# Altium PCB TEMPLATE_PCB_4L.PcbDoc (part 1 of 2)
Units mm, origin at the board's own origin, x right, y up, seen from the top; angles counter-clockwise.
Board outline 200 x 110 mm, 4 copper layers (Top, GND, PWR, Bottom), stack 1.591 mm thick; 84 components, 80 nets, 426 pads, 420 vias.
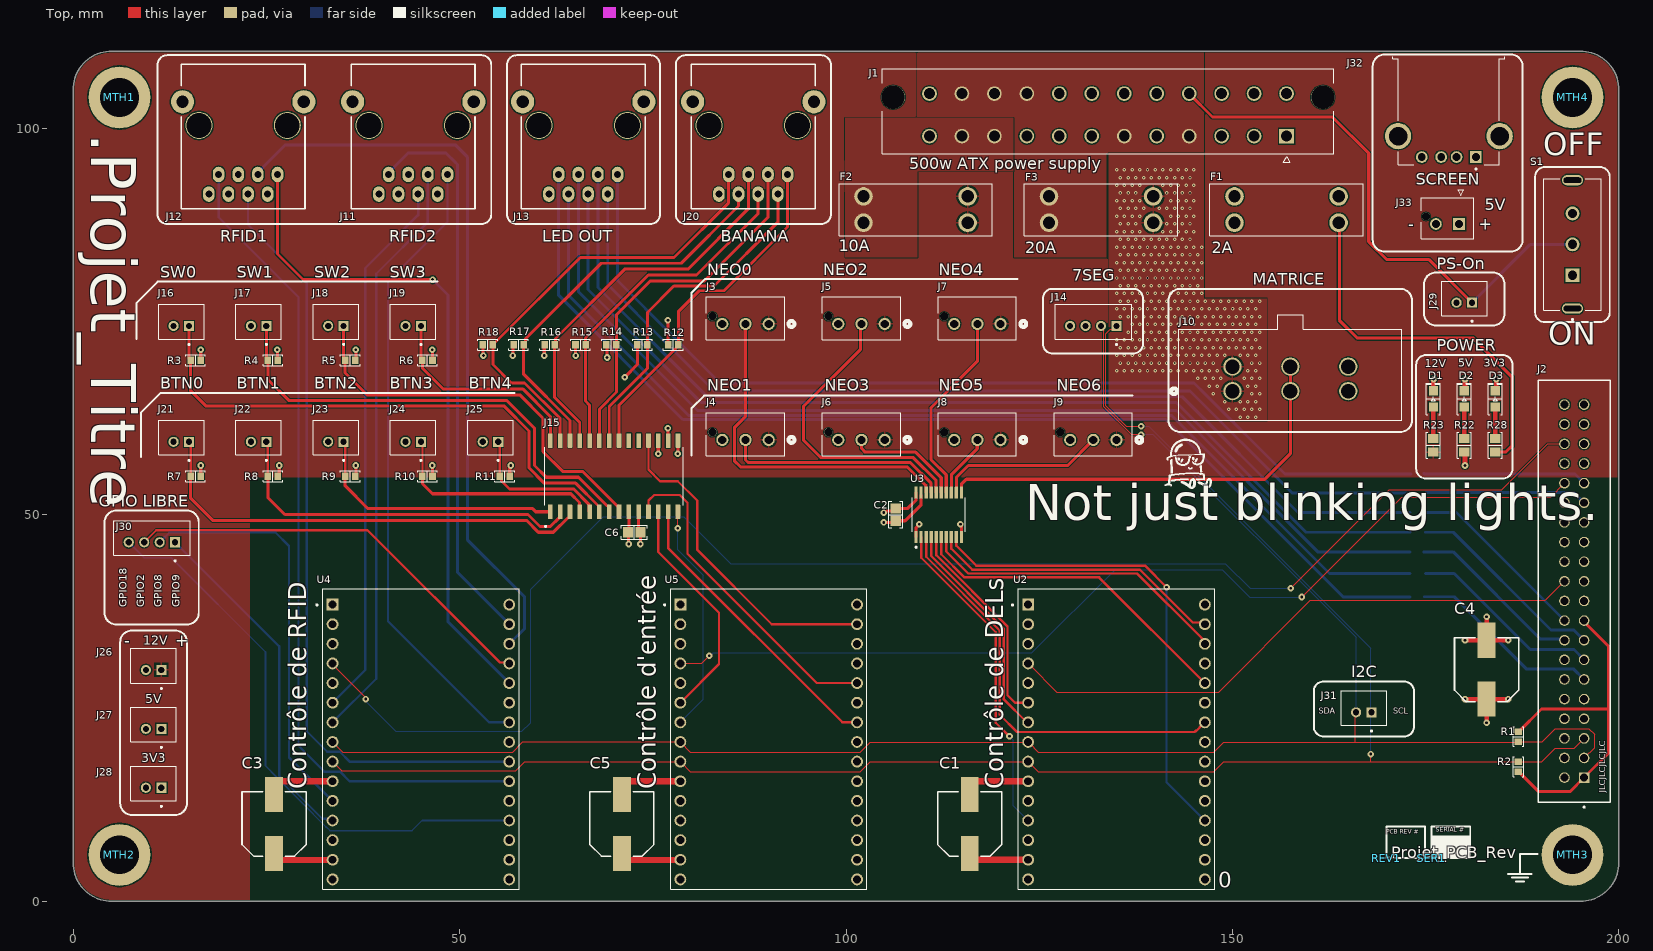
[diagram p0: Top view]
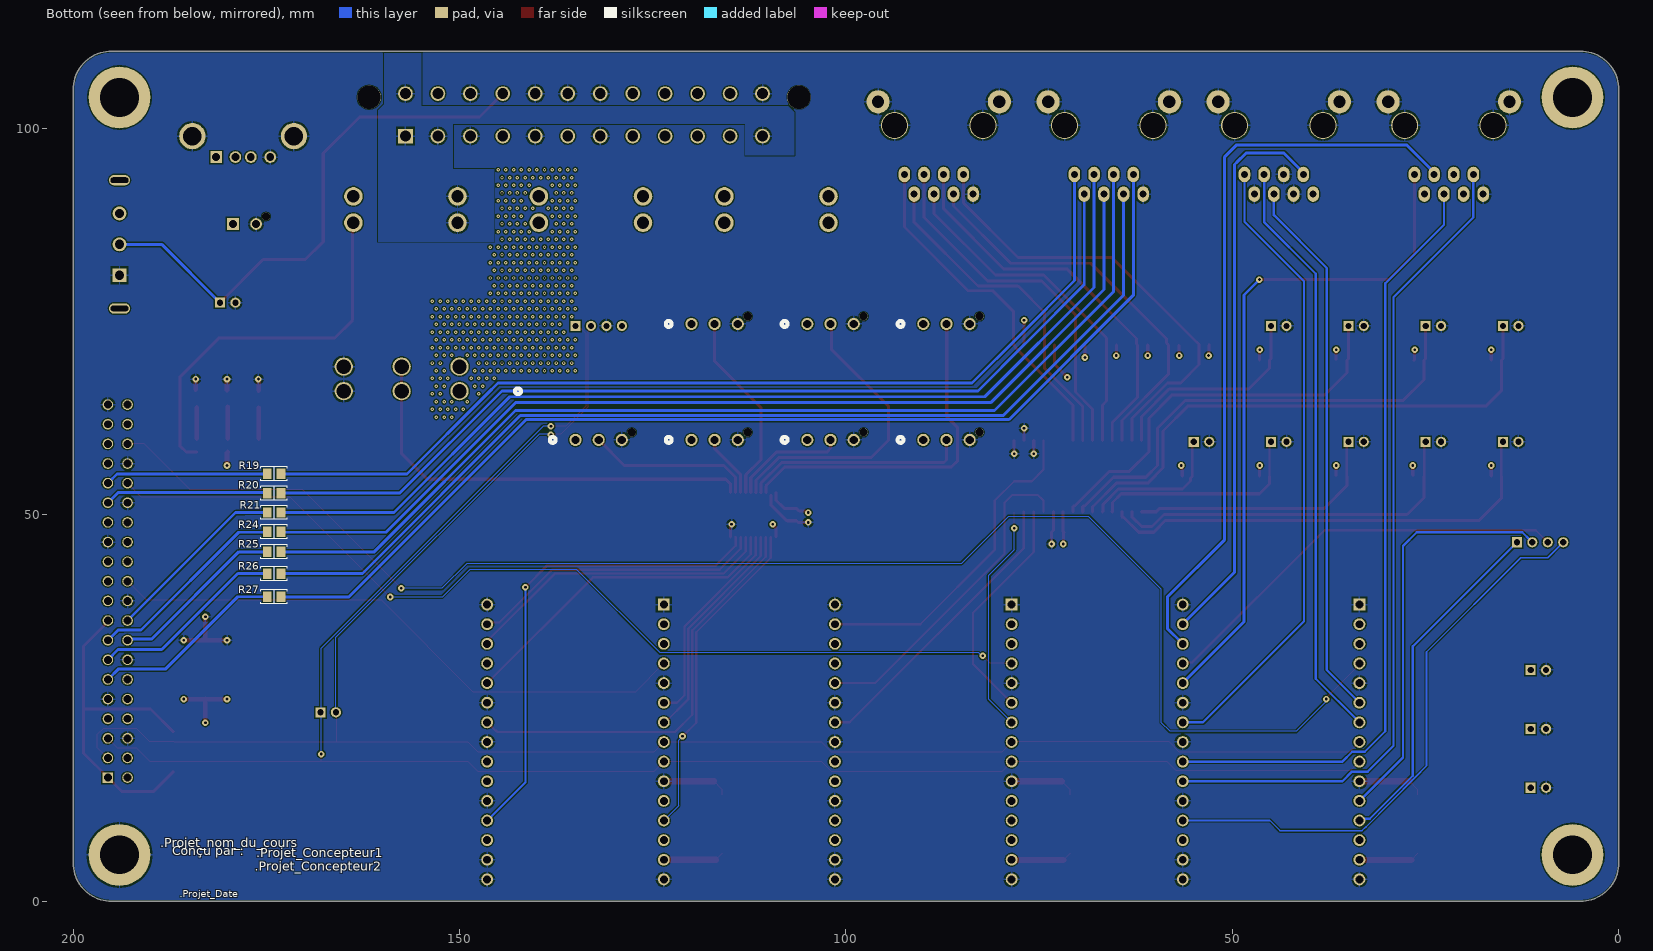
[diagram p1: Bottom view, seen from below]
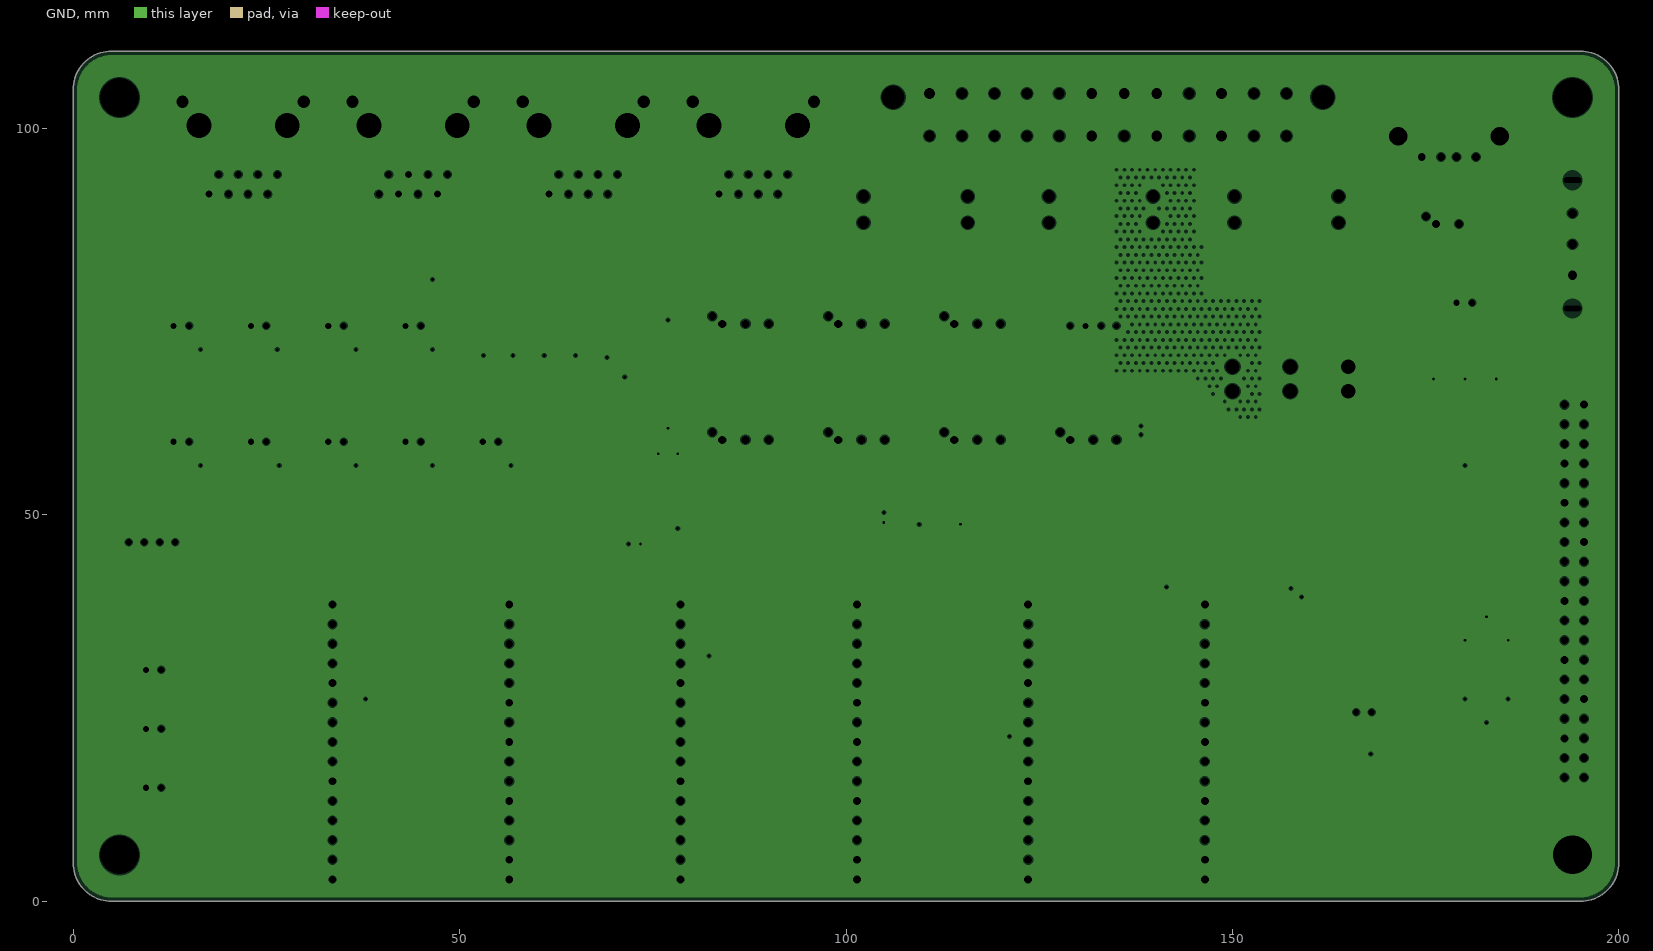
[diagram p2: GND, clearances drawn from the general rule]
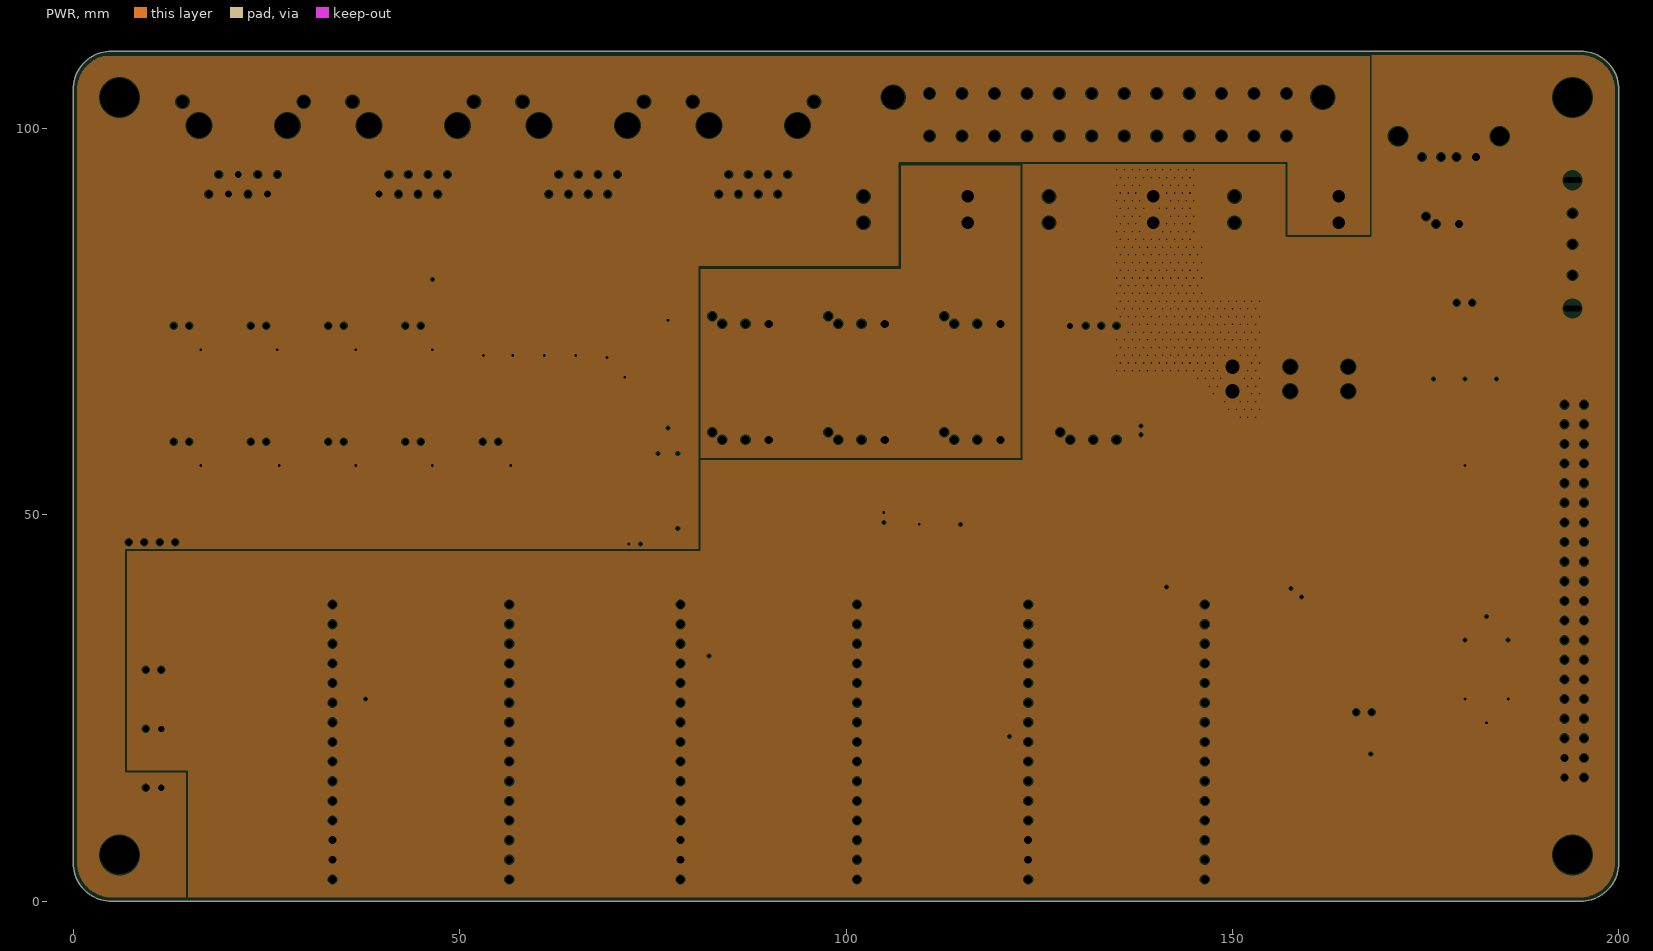
[diagram p3: PWR, clearances drawn from the general rule]
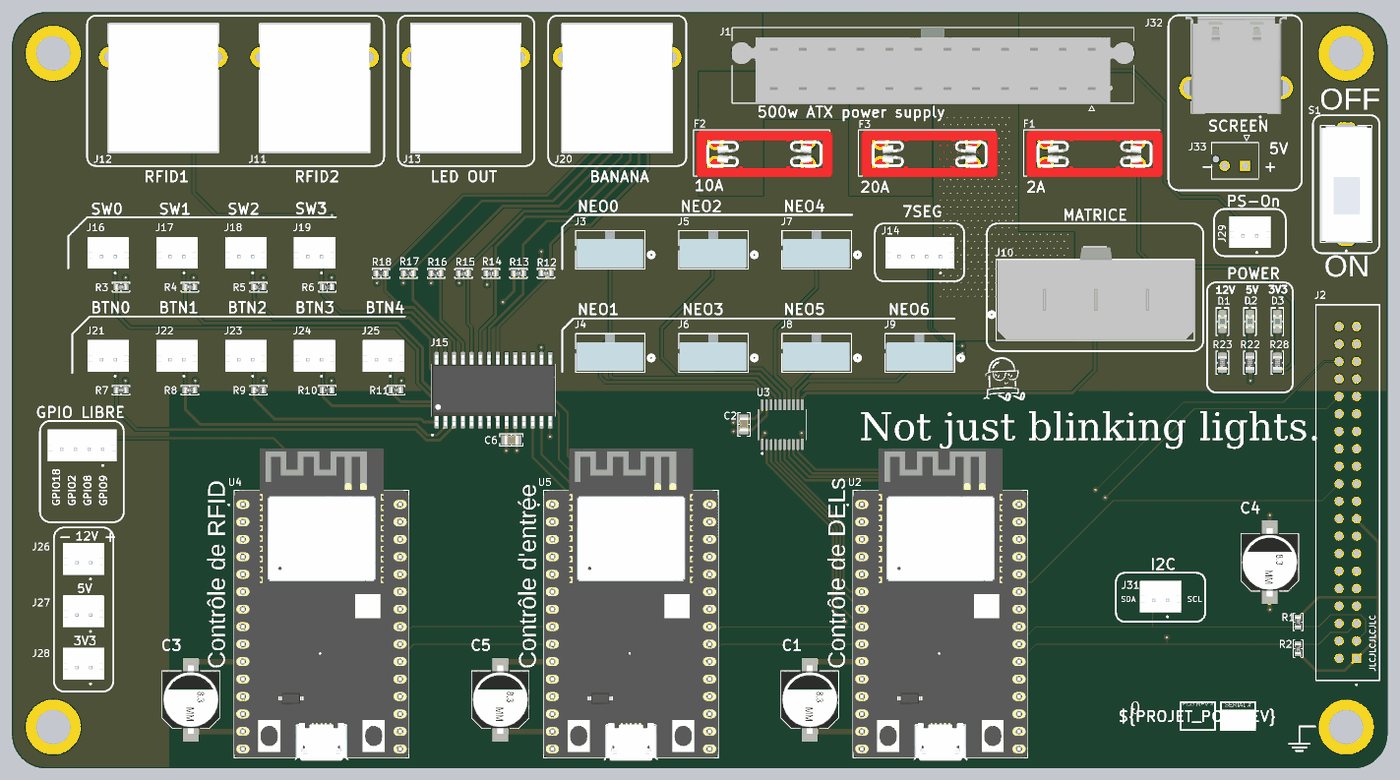
[diagram p5: 3D render of the assembled board from above, using the file's embedded part models]
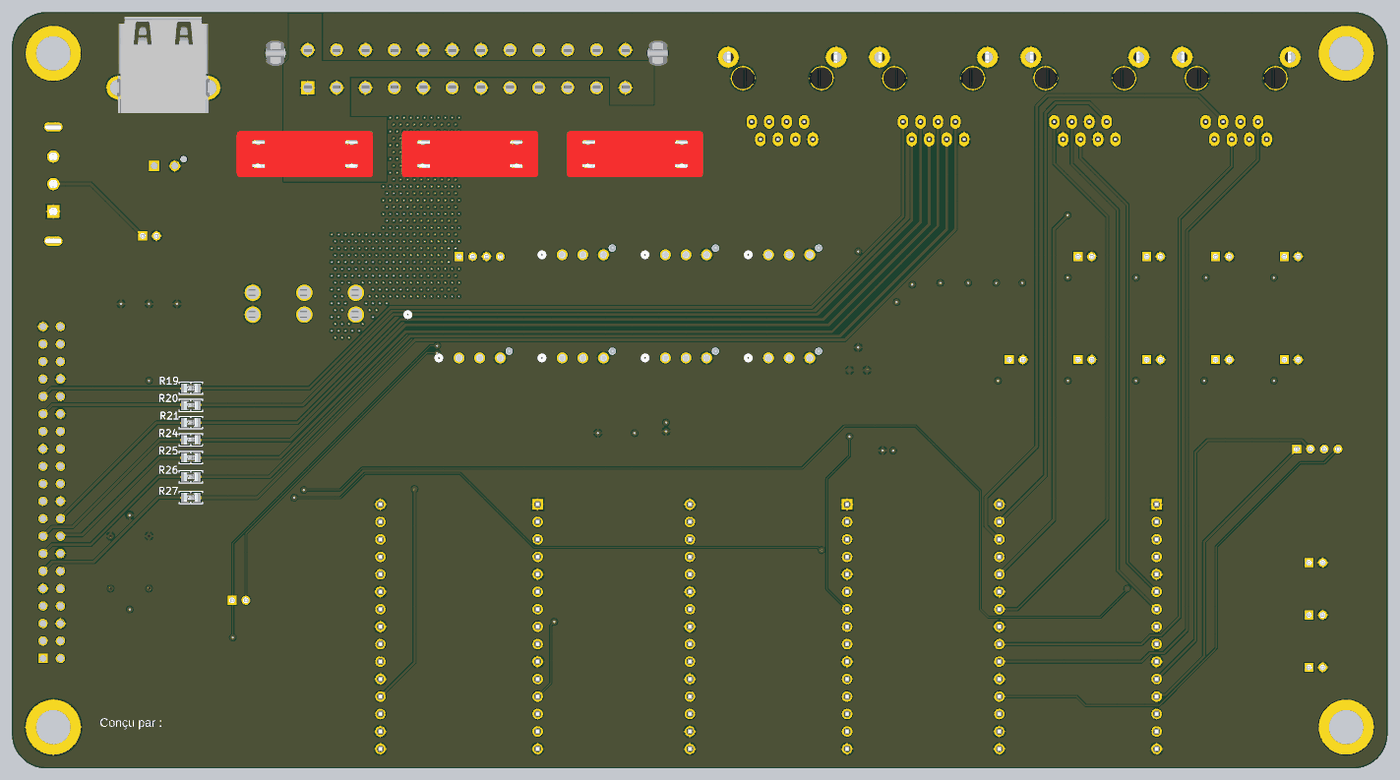
[diagram p6: 3D render of the assembled board from below, using the file's embedded part models]

## Layer stack, top to bottom
Top Solder: solder mask 0.0102, Solder Resist, Dk 3.5
Top: signal copper 0.035
Dielectric 1: prepreg 0.2104, 7628, Dk 4.1
GND: plane copper 0.0175, net GND
Dielectric 2: core 1.065, Dk 4.6
PWR: plane copper 0.0175, net (Multiple Nets)
Dielectric 3: prepreg 0.2104, 7628, Dk 4.6
Bottom: signal copper 0.035
Bottom Solder: solder mask 0.0102, Solder Resist, Dk 3.5

## Board outline
0,5 0,105 cw(c5,105) 5,110 195,110 cw(c195,105) 200,105 200,5 cw(c195,5) 195,0 5,0 cw(c5,5)

## Design rules (kind name [scope] priority, off if disabled: settings)
BoardOutlineClearance [All] p1: gap=0.2 ignorepadtopadclearanceinfootprint=FALSE except(0: Arc-SplitContinuation Track-SplitContinuation SMDPad-SplitContinuation THPad-SplitContinuation Via-SplitContinuation Fill-SplitContinuation Poly-SplitContinuation Region-SplitContinuation Text-SplitContinuation)
Clearance "Schematic Clearance Constraint_1" [InComponent('SER1')] p1: gap=0.254 ignorepadtopadclearanceinfootprint=FALSE except(0: Arc-Text Track-Text Text-Text)
Clearance "Schematic Clearance Constraint" [InComponent('REV1')] p2: gap=0.254 ignorepadtopadclearanceinfootprint=FALSE except(0: Arc-Text Track-Text Text-Text)
Clearance [All] p3: gap=0.152 ignorepadtopadclearanceinfootprint=FALSE except(0.127: Arc-Arc Arc-Track Arc-Hole Track-Track Track-Hole SMDPad-Fill SMDPad-Poly SMDPad-Region SMDPad-Hole THPad-Hole Via-Hole Fill-Hole Poly-Hole Region-Hole Text-Hole; 0.2: Arc-SMDPad Track-SMDPad; 0.254: Arc-Via Track-Via Via-Via; 0.33: Arc-THPad Track-THPad; 0.5: THPad-THPad)
ComponentClearance "Schematic Component Clearance Constraint_1" [InComponent('SER1')] p1: gap=0 collisioncheckmode=3 verticalgap=0 showdistances=FALSE
ComponentClearance "Schematic Component Clearance Constraint" [InComponent('REV1')] p2: gap=0 collisioncheckmode=3 verticalgap=0 showdistances=FALSE
ComponentClearance [All] p3: gap=0.102 collisioncheckmode=3 verticalgap=0.102 showdistances=FALSE
HoleSize HoleSize_1 [All] p1: absolutevalues=TRUE maxlimit=6 minlimit=0.025 maxpercent=80.000 minpercent=20.000
HoleToHoleClearance [All] p1: gap=0.5 allowstackedmicrovias=FALSE
MinimumAnnularRing [All] p1: minimumring=0.1
MinimumSolderMaskSliver [All] p1: minsoldermaskwidth=0.1
PlaneClearance [All] p1: clearance=0.152
PlaneConnect [All] p1: pad.planeconnectstyle=Relief pad.reliefexpansion=0.508 pad.reliefentries=4 pad.reliefconductorwidth=0.254 pad.reliefairgap=0.254 via.planeconnectstyle=Direct via.reliefexpansion=0.508 via.reliefentries=4 via.reliefconductorwidth=0.254 via.reliefairgap=0.254
PolygonConnect PolygonConnect_3 [InNet('5V_FUSE') vs InNet('5V_FUSE')] p1: thpad.connectstyle=Relief thpad.reliefconductorwidth=0.254 thpad.reliefentries=4 thpad.polygonreliefangle="90 Angle" thpad.airgapwidth=0.254 smdpad.connectstyle=Relief smdpad.reliefconductorwidth=0.254 smdpad.reliefentries=4 smdpad.polygonreliefangle="90 Angle" smdpad.airgapwidth=0.254 via.connectstyle=Direct via.reliefconductorwidth=0.254 via.reliefentries=4 via.polygonreliefangle="90 Angle" via.airgapwidth=0.254
PolygonConnect PolygonConnect_2 [InNet('12V') vs InNet('12V')] p2: thpad.connectstyle=Direct thpad.reliefconductorwidth=0.254 thpad.reliefentries=4 thpad.polygonreliefangle="90 Angle" thpad.airgapwidth=0.254 smdpad.connectstyle=Relief smdpad.reliefconductorwidth=0.254 smdpad.reliefentries=4 smdpad.polygonreliefangle="90 Angle" smdpad.airgapwidth=0.254 via.connectstyle=Relief via.reliefconductorwidth=0.254 via.reliefentries=4 via.polygonreliefangle="90 Angle" via.airgapwidth=0.254
PolygonConnect [InNet('5V') vs InNet('5V')] p3: thpad.connectstyle=Direct thpad.reliefconductorwidth=0.254 thpad.reliefentries=4 thpad.polygonreliefangle="90 Angle" thpad.airgapwidth=0.254 smdpad.connectstyle=Relief smdpad.reliefconductorwidth=0.254 smdpad.reliefentries=4 smdpad.polygonreliefangle="90 Angle" smdpad.airgapwidth=0.254 via.connectstyle=Direct via.reliefconductorwidth=0.254 via.reliefentries=4 via.polygonreliefangle="90 Angle" via.airgapwidth=0.254
PolygonConnect PolygonConnect_1 [All] p4: connectstyle=Relief reliefconductorwidth=0.254 reliefentries=4 polygonreliefangle="90 Angle" airgapwidth=0.254
RoutingVias [All] p1: holewidth=0.35 width=0.85 viastyle="Through Hole" minholewidth=0.3 minwidth=0.5 maxholewidth=6.3 maxwidth=6.5
SilkToSilkClearance [All] p1: silktosilkclearance=0.102
SilkToSolderMaskClearance [IsPad] p1: minsilkscreentomaskgap=0.024 clearancetoexposedcopper=FALSE
SolderMaskExpansion SolderMaskExpansion_Via [isVia] p1: expansion=0.102 istentingtop=TRUE
SolderMaskExpansion [All] p2: expansion=0.051 istentingtop=FALSE
SupplyNets "Schematic Supply Nets_7" [InNet('3V3_PI4')] p1: voltage=0.000
SupplyNets "Schematic Supply Nets_6" [InNet('3V3_FUSE')] p2: voltage=0.000
SupplyNets "Schematic Supply Nets_5" [InNet('5V_FUSE')] p3: voltage=0.000
SupplyNets "Schematic Supply Nets_4" [InNet('12V_FUSE')] p4: voltage=0.000
SupplyNets "Schematic Supply Nets_3" [InNet('GND')] p5: voltage=0.000
SupplyNets "Schematic Supply Nets_2" [InNet('12V')] p6: voltage=0.000
SupplyNets "Schematic Supply Nets_1" [InNet('3V3')] p7: voltage=0.000
SupplyNets "Schematic Supply Nets" [InNet('5V')] p8: voltage=0.000
Width [All] p1: maxlimit=25.4 minlimit=0.127 preferedwidth=0.152 minimp=50.000000 maximp=50.000000 favimp=50.000000
22 further rules are at their usual default settings.

## Classes and differential pairs
component class RaspberryPI4: C4 J2 J13 J14 J31 R1 R2 R19 R20 R21 R24 R25 R26 R27
component class "Esp32_Wroom(Contrôle de RFID)": C3 J11 J12 J30 U4
component class "Esp32_Wroom(Contrôle de DELs)": C1 C2 J3 J4 J5 J6 J7 J8 J9 J10 U2 U3
component class "Esp32_Wroom(Contrôle d'entrée": C5 C6 J15 J16 J17 J18 J19 J20 J21 J22 J23 J24 J25 R3 R4 R5 R6 R7 R8 R9 R10 R11 R12 R13 R14 R15 R16 R17 R18 U5
component class Alimentation: D1 D2 D3 F1 F2 F3 J1 J26 J27 J28 J29 J32 J33 MTH1 MTH2 MTH3 MTH4 R22 R23 R28 S1
component class TEMPLATE_Title: REV1 SER1

## Components (designator, comment, footprint, x,y, rotation, side; value= is the part's Value field where it differs from the comment)
C1 "330 µF" "CAP ALSMD 8.3MM H10.5MM" 116,10 r90 top locked
C2 "0.1 µF" "CAP 0805_2012" 106.426,50.038 r90 top locked
C3 "330 µF" "CAP ALSMD 8.3MM H10.5MM" 26,10 r90 top locked
C4 "330 µF" "CAP ALSMD 8.3MM H10.5MM" 182.88,29.972 r90 top
C5 "330 µF" "CAP ALSMD 8.3MM H10.5MM" 71,10 r90 top locked
C6 "0.1 µF" "CAP 0805_2012" 72.606,47.752 r0 top
D1 "Green" "LED 0805_2012 GREEN" 176,65 r90 top locked
D2 "Green" "LED 0805_2012 GREEN" 180,65 r90 top locked
D3 "Green" "LED 0805_2012 GREEN" 184,65 r90 top locked
F1 "3557-10" FUSE_3557-10 157,89.5 r0 top
F2 "3557-10" FUSE_3557-10 109,89.5 r0 top locked
F3 "3557-10" FUSE_3557-10 133,89.5 r0 top locked
J1 "39299243" MOLEX_39299243 157,99 r0 top locked
J2 "TSS-120-01-T-D" SAMTEC_TSS-120-01-T-D 195.5,16 r90 top locked
J3 "2165711003" CONN_2165710003-SD_03_MOL 90,74.7 r0 top locked
J4 "2165711003" CONN_2165710003-SD_03_MOL 90,59.7 r0 top locked
J5 "2165711003" CONN_2165710003-SD_03_MOL 105,74.7 r0 top locked
J6 "2165711003" CONN_2165710003-SD_03_MOL 105,59.7 r0 top locked
J7 "2165711003" CONN_2165710003-SD_03_MOL 120,74.7 r0 top locked
J8 "2165711003" CONN_2165710003-SD_03_MOL 120,59.7 r0 top locked
J9 "2165711003" CONN_2165710003-SD_03_MOL 135,59.7 r0 top locked
J10 "431600103" CONN_431600001-SD_V_03_MOL 150,66 r0 top locked
J11 "A-2004-2-4-LPS-N-R" "ASSMANN A-2004-2-4-LPS-N-R" 44,99 r180 top locked
J12 "A-2004-2-4-LPS-N-R" "ASSMANN A-2004-2-4-LPS-N-R" 22,99 r180 top locked
J13 "A-2004-2-4-LPS-N-R" "ASSMANN A-2004-2-4-LPS-N-R" 66,99 r180 top locked
J14 "B4B-PH-K-S" JST_B4B-PH-K-S 132,75 r0 top
J15 "MCP23S17-E/SO" SOIC127P1030X265-28N 70,55 r90 top locked
J16 "B2B-PH-K-S" JST_B2B-PH-K-S 14,75 r0 top locked
J17 "B2B-PH-K-S" JST_B2B-PH-K-S 24,75 r0 top locked
J18 "B2B-PH-K-S" JST_B2B-PH-K-S 34,75 r0 top locked
J19 "B2B-PH-K-S" JST_B2B-PH-K-S 44,75 r0 top
J20 "A-2004-2-4-LPS-N-R" "ASSMANN A-2004-2-4-LPS-N-R" 88,99 r180 top locked
J21 "B2B-PH-K-S" JST_B2B-PH-K-S 14,60 r0 top locked
J22 "B2B-PH-K-S" JST_B2B-PH-K-S 24,60 r0 top locked
J23 "B2B-PH-K-S" JST_B2B-PH-K-S 34,60 r0 top locked
J24 "B2B-PH-K-S" JST_B2B-PH-K-S 44,60 r0 top locked
J25 "B2B-PH-K-S" JST_B2B-PH-K-S 54,60 r0 top locked
J26 "B2B-PH-K-S" JST_B2B-PH-K-S 10.414,30.48 r0 top locked
J27 "B2B-PH-K-S" JST_B2B-PH-K-S 10.414,22.86 r0 top
J28 "B2B-PH-K-S" JST_B2B-PH-K-S 10.414,15.24 r0 top
J29 "B2B-PH-K-S" JST_B2B-PH-K-S 180,78 r0 top locked
J30 "B4B-PH-K-S" JST_B4B-PH-K-S 10.2,47 r0 top
J31 "B2B-PH-K-S" JST_B2B-PH-K-S 167,25 r0 top
J32 "87520-0010BLF" AMPHENOL_87520-0010BLF 178,99 r180 top locked
J33 "2165711002" MOLEX_2165711002 179.324,87.63 r0 top
MTH1 "MTH_M5" MTH_M5 6,104 r0 top locked
MTH2 "MTH_M5" MTH_M5 6,6 r0 top locked
MTH3 "MTH_M5" MTH_M5 194,6 r0 top locked
MTH4 "MTH_M5" MTH_M5 194,104 r0 top locked
R1 "4.7 kOhms" "RES 0603_1608" 187,21.3 r90 top
R2 "4.7 kOhms" "RES 0603_1608" 187,17.4 r270 top locked
R3 "4.7 kOhms" "RES 0603_1608" 15.85,70 r0 top locked
R4 "4.7 kOhms" "RES 0603_1608" 25.85,70 r0 top locked
R5 "4.7 kOhms" "RES 0603_1608" 35.85,70 r0 top locked
R6 "4.7 kOhms" "RES 0603_1608" 45.85,70 r0 top locked
R7 "4.7 kOhms" "RES 0603_1608" 15.85,55 r0 top locked
R8 "4.7 kOhms" "RES 0603_1608" 25.85,55 r0 top locked
R9 "4.7 kOhms" "RES 0603_1608" 35.85,55 r0 top locked
R10 "4.7 kOhms" "RES 0603_1608" 45.85,55 r0 top locked
R11 "4.7 kOhms" "RES 0603_1608" 55.85,55 r0 top locked
R12 "4.7 kOhms" "RES 0603_1608" 77.65,72 r180 top locked
R13 "4.7 kOhms" "RES 0603_1608" 73.65,72 r180 top locked
R14 "4.7 kOhms" "RES 0603_1608" 69.65,72 r180 top locked
R15 "4.7 kOhms" "RES 0603_1608" 65.65,72 r180 top locked
R16 "4.7 kOhms" "RES 0603_1608" 61.65,72 r180 top locked
R17 "4.7 kOhms" "RES 0603_1608" 57.65,72 r180 top locked
R18 "4.7 kOhms" "RES 0603_1608" 53.65,72 r180 top locked
R19 "330 Ohms" "RES 0805_2012" 174,55.3 r0 bottom locked
R20 "330 Ohms" "RES 0805_2012" 174,52.8 r0 bottom locked
R21 "330 Ohms" "RES 0805_2012" 174,50.3 r0 bottom locked
R22 "1 kOhms" "RES 0805_2012" 180,59 r270 top locked
R23 "4.7 kOhms" "RES 0805_2012" 176,59 r270 top locked
R24 "330 Ohms" "RES 0805_2012" 174,47.8 r0 bottom locked
R25 "330 Ohms" "RES 0805_2012" 174,45.2 r0 bottom locked
R26 "330 Ohms" "RES 0805_2012" 174,42.4 r0 bottom locked
R27 "330 Ohms" "RES 0805_2012" 174,39.4 r0 bottom
R28 "330 Ohms" "RES 0805_2012" 184,59 r270 top locked
REV1 "Revision Cartridge Mini" REV_REVISION_CARTRIDGE_MINI 169.926,5.588 r0 top
S1 "SLW-1711575-5A-N-D" SW_SLW-1711575-5A-N-D 194,85 r90 top
SER1 "Serial Cartridge MICRO" SER_SERIAL_CARTRIDGE_MICRO 175.768,5.588 r0 top
U2 "ESP32-C3-DEVKITC-02" XCVR_ESP32-C3-DEVKITC-02 135,21 r0 top locked
U3 "SN74AHCT245PWR" SOP65P640X120-20N 112,50 r90 top locked
U4 "ESP32-C3-DEVKITC-02" XCVR_ESP32-C3-DEVKITC-02 45,21 r0 top locked
U5 "ESP32-C3-DEVKITC-02" XCVR_ESP32-C3-DEVKITC-02 90,21 r0 top locked

## Footprints (in the part's own frame and the unit in brackets; to place one, negate y for a bottom-side part, rotate by r counter-clockwise, add the part's x,y. Pads: shape width x height; smd on the part's side, far side on the other; paste and mask are expansions set on the pad)
AMPHENOL_87520-0010BLF [mm]
  rect 1.508x1.508 / inner round 1.508 / far side rect 1.508x1.508 hole 1 mask+0.05: 1(-3.5,2.71)
  round 1.508 hole 1 mask+0.05: 2(-1,2.71) 3(1,2.71) 4(3.5,2.71)
  round 3.396 hole 2.38 mask+0.05: SH1(-6.57,0) SH2(6.57,0)
  silkscreen extent -7.25,-10.3 7.25,4.35, body extent -7.26,-10.3 7.24,3.7, height 4.14
"ASSMANN A-2004-2-4-LPS-N-R" [mm]
  oval 1.5x2 hole 0.9: 1(-4.445,4.96) 2(-3.175,7.5) 3(-1.905,4.96) 4(-0.635,7.5) 5(0.635,4.96) 6(1.905,7.5) 7(3.175,4.96) 8(4.445,7.5)
  round 3 hole 1.6: S(-7.855,-4.44) S(7.845,-4.44)
  round 3.5 hole 3.2: S(-5.715,-1.39) S(5.715,-1.39)
  silkscreen extent -8,-9.3 8,9.4, body extent -8,-9.3 8,9.4, height 13.3
"CAP 0805_2012" [mm] "Chip Capacitor, 2-Leads, Body 2.00x1.20mm, IPC Medium Density"
  rect 1.3x1.4 smd: 1(-0.8,0) 2(0.8,0)
  silkscreen extent -1.7,-0.9 1.7,0.9, body extent -1,-0.64 1,0.64, height 1.26
"CAP ALSMD 8.3MM H10.5MM" [mm] "Aluminum Electrolytic Capacitor, Body 8.30x8.30x10.50mm, IPC Low Density"
  rect 4.55x2.3 smd: 1(-3.8,0) 2(3.8,0)
  silkscreen extent -4.15,-4.15 4.15,4.15, body extent -4.95,-4.15 4.95,4.15, height 10.5
CONN_431600001-SD_V_03_MOL [mil]
  round 93 hole 73 paste-99999 mask+0: 1_1(0,0) 1_2(0,125.2) 2_1(295,0) 2_2(295,125.2) 3_1(590,0) 3_2(590,125.2)
  silkscreen extent -312,-148 863,389, body extent -262,-142 862,385, height 582
CONN_2165710003-SD_03_MOL [mil]
  round 62 hole 42 paste-99999 mask+0: 1(0,0) 2(-118.11,0) 3(-236.22,0)
  round 42 hole 42 unplated paste-99999 mask+0: 4(-286.62,38.58)
  silkscreen extent -317,-81 131,139, body extent -314,-75 74,135, height 391
FUSE_3557-10 [mm]
  round 2.4 hole 1.6: 1_1(-6.735,1.7) 1_2(-6.735,-1.7) 2_1(6.735,1.7) 2_2(6.735,-1.7)
  silkscreen extent -9.9,-3.36 9.9,3.37, body extent -9.5,-3.52 10.31,3.21, height 3.14
JST_B2B-PH-K-S [mm]
  rect 1.308x1.308 / inner round 1.308 / far side rect 1.308x1.308 hole 0.8: 1(1,-0.55)
  round 1.308 hole 0.8: 2(-1,-0.55)
  silkscreen extent -2.95,-3.05 2.95,2.25, body extent -2.95,-2.25 2.95,2.25, height 6
JST_B4B-PH-K-S [mm]
  rect 1.308x1.308 / inner round 1.308 / far side rect 1.308x1.308 hole 0.8: 1(3,-0.55)
  round 1.308 hole 0.8: 2(1,-0.55) 3(-1,-0.55) 4(-3,-0.55)
  silkscreen extent -4.95,-3.05 4.95,2.25, body extent -4.95,-2.25 4.95,2.25, height 6
"LED 0805_2012 GREEN" [mm] "Chip Diode, 2-Leads, Body 2.00x1.25mm, IPC Medium Density"
  rect 1.2x1.2 smd: 1(-1.05,0) 2(1.05,0)
  silkscreen extent -2.03,-0.9 2.03,0.9, body extent -1,-0.62 1,0.63, height 0.9
MOLEX_39299243 [mm]
  rect 1.9x1.9 / inner round 1.9 / far side rect 1.9x1.9 hole 1.4 mask+0.076: 1(0,0)
  round 1.9 hole 1.4 mask+0.076: 2(-4.2,0) 3(-8.4,0) 4(-12.6,0) 5(-16.8,0) 6(-21,0) 7(-25.2,0) 8(-29.4,0) 9(-33.6,0) 10(-37.8,0) 11(-42,0) 12(-46.2,0) 13(0,5.5) 14(-4.2,5.5) 15(-8.4,5.5) 16(-12.6,5.5) 17(-16.8,5.5) 18(-21,5.5) 19(-25.2,5.5) 20(-29.4,5.5) 21(-33.6,5.5) 22(-37.8,5.5) 23(-42,5.5) 24(-46.2,5.5)
  round 3 hole 3 unplated mask+0.076: ""(-50.9,5.04) ""(4.7,5.04)
  silkscreen extent -52.29,-3.35 6.09,8.75, body extent -52.3,-2.26 6.07,8.74, height 12.8
MOLEX_2165711002 [mm]
  rect 1.52x1.52 / inner round 1.52 / far side rect 1.52x1.52 hole 1.02 mask+0.076: 1(0,0)
  round 1.52 hole 1.02 mask+0.076: 2(-3,0)
  round 1.02 hole 1.02 unplated mask+0.076: ""(-4.28,0.98)
  silkscreen extent -4.92,-1.93 1.92,4.45
MTH_M5 [mm] "Mounting Hole Metric 5MM"
  round 8 / inner round 0 / far side round 8 hole 5 paste-2539.97 mask+0.07: 1(0,0)
"RES 0603_1608" [mm] "Chip Resistor, 2-Leads, Body 1.60x0.80mm, IPC Medium Density"
  rect 0.85x0.95 smd: 1(-0.65,0) 2(0.65,0)
  silkscreen extent -1.27,-0.7 1.27,0.7, body extent -0.8,-0.4 0.8,0.4, height 0.45
"RES 0805_2012" [mm] "Chip Resistor, 2-Leads, Body 2.00x1.25mm, IPC Medium Density"
  rect 1.15x1.35 smd: 1(-0.875,0) 2(0.875,0)
  silkscreen extent -1.7,-0.9 1.7,0.9, body extent -1,-0.62 1,0.63, height 0.6
REV_REVISION_CARTRIDGE_MINI [mm]
  silkscreen extent 0,0 5,4.08
SAMTEC_TSS-120-01-T-D [mm]
  rect 1.37x1.37 hole 1.02: 01(0,0)
  round 1.37 hole 1.02: 02(0,2.54) 03(2.54,0) 04(2.54,2.54) 05(5.08,0) 06(5.08,2.54) 07(7.62,0) 08(7.62,2.54) 09(10.16,0) 10(10.16,2.54) 11(12.7,0) 12(12.7,2.54) 13(15.24,0) 14(15.24,2.54) 15(17.78,0) 16(17.78,2.54) 17(20.32,0) 18(20.32,2.54) 19(22.86,0) 20(22.86,2.54) 21(25.4,0) 22(25.4,2.54) 23(27.94,0) 24(27.94,2.54) 25(30.48,0) 26(30.48,2.54) 27(33.02,0) 28(33.02,2.54) 29(35.56,0) 30(35.56,2.54) 31(38.1,0) 32(38.1,2.54) 33(40.64,0) 34(40.64,2.54) 35(43.18,0) 36(43.18,2.54) 37(45.72,0) 38(45.72,2.54) 39(48.26,0) 40(48.26,2.54)
  silkscreen extent -3.92,-3.37 51.44,5.9
SER_SERIAL_CARTRIDGE_MICRO [mm]
  silkscreen extent 0,0 5.02,4.08
SOIC127P1030X265-28N [mm]
  rrect25% 1.9x0.6 smd: 1(-4.605,8.255) 2(-4.605,6.985) 3(-4.605,5.715) 4(-4.605,4.445) 5(-4.605,3.175) 6(-4.605,1.905) 7(-4.605,0.635) 8(-4.605,-0.635) 9(-4.605,-1.905) 10(-4.605,-3.175) 11(-4.605,-4.445) 12(-4.605,-5.715) 13(-4.605,-6.985) 14(-4.605,-8.255) 15(4.605,-8.255) 16(4.605,-6.985) 17(4.605,-5.715) 18(4.605,-4.445) 19(4.605,-3.175) 20(4.605,-1.905) 21(4.605,-0.635) 22(4.605,0.635) 23(4.605,1.905) 24(4.605,3.175) 25(4.605,4.445) 26(4.605,5.715) 27(4.605,6.985) 28(4.605,8.255)
  silkscreen extent -6.6,-8.95 3.75,8.95, body extent -5.15,-8.95 5.15,8.95, height 2.65
SOP65P640X120-20N [mm]
  rrect25% 1.57x0.41 smd: 1(-2.87,2.925) 2(-2.87,2.275) 3(-2.87,1.625) 4(-2.87,0.975) 5(-2.87,0.325) 6(-2.87,-0.325) 7(-2.87,-0.975) 8(-2.87,-1.625) 9(-2.87,-2.275) 10(-2.87,-2.925) 11(2.87,-2.925) 12(2.87,-2.275) 13(2.87,-1.625) 14(2.87,-0.975) 15(2.87,-0.325) 16(2.87,0.325) 17(2.87,0.975) 18(2.87,1.625) 19(2.87,2.275) 20(2.87,2.925)
  silkscreen extent -4.29,-3.45 2.2,3.45
SW_SLW-1711575-5A-N-D [mm]
  rect 1.8x1.8 / inner round 1.8 / far side rect 1.8x1.8 hole 1.2: 1(-4,0)
  round 1.8 hole 1.2: 2(0,0) 3(4,0)
  oval 1.35x2.7 hole 0.7 slot 2.3 at 90 deg: SH1(-8.3,0) SH2(8.3,0)
  silkscreen extent -9.82,-3.75 8.5,3.75, body extent -8.56,-3.8 8.44,3.7, height 13.42
XCVR_ESP32-C3-DEVKITC-02 [mm]
  rect 1.53x1.53 / inner round 1.53 / far side rect 1.53x1.53 hole 1.02: 1(-11.43,17.392)
  round 1.53 hole 1.02: 2(-11.43,14.852) 3(-11.43,12.312) 4(-11.43,9.772) 5(-11.43,7.232) 6(-11.43,4.692) 7(-11.43,2.152) 8(-11.43,-0.388) 9(-11.43,-2.928) 10(-11.43,-5.468) 11(-11.43,-8.008) 12(-11.43,-10.548) 13(-11.43,-13.088) 14(-11.43,-15.628) 15(-11.43,-18.168) 16(11.43,-18.168) 17(11.43,-15.628) 18(11.43,-13.088) 19(11.43,-10.548) 20(11.43,-8.008) 21(11.43,-5.468) 22(11.43,-2.928) 23(11.43,-0.388) 24(11.43,2.152) 25(11.43,4.692) 26(11.43,7.232) 27(11.43,9.772) 28(11.43,12.312) 29(11.43,14.852) 30(11.43,17.392)
  silkscreen extent -13.56,-19.45 12.7,19.45, body extent -12.7,-19.89 12.7,25.53, height 7.49

## Part data
C1 C3 C4 C5: library part 865060353008, "CAP ALUM 330UF 20% 16V SMD", Device Package="Radial, Can - SMD", Lifetime @ Temp.="5000 Hrs @ 105°C", Manufacturer="Würth Elektronik", Operating Temperature="-55°C ~ 105°C", Ripple Current @ High Frequency="550 mA @ 100 kHz", Ripple Current @ Low Frequency="357.5 mA @ 120 Hz", Supplier Part Number 1=732-8525-1-ND, Tolerance=±20%, Voltage - Rated="16 V", Applications="General Purpose", Capacitance="330 µF", ComponentLink1Description=Datasheet, ComponentLink1URL=https://katalog.we-online.de/pbs/datasheet/865060353008.pdf, ComponentLink2Description="DigiKey Link", ComponentLink2URL=https://www.digikey.com/en/products/detail/würth-elektronik/865060353008/5728120, Height - Seated (Max)="0.413\" (10.50mm)", Impedance="170 mOhms", LastUpdated="2024-06-03 8:15:49 PM", Lifecycle Status=Active, Minimum Order=1, Mounting Type="Surface Mount", Package / Case="Radial, Can - SMD", Packaging=TapeAndReel, Part Number=865060353008, Part Status=Active, PartId=7463, Polarization=Polar, Price=0.39, Series=WCAP-ASLL, Size / Dimension="0.315\" Dia (8.00mm)", Supplier 1=DigiKey, Surface Mount Land Size="0.327\" L x 0.327\" W (8.30mm x 8.30mm)"
C2 C6: library part 0805Y0250104KXT, "CAP CER 0.1UF 25V X7R 0805", Device Package="0805 (2012 Metric)", Manufacturer="Knowles Syfer", Operating Temperature="-55°C ~ 125°C", Supplier Part Number 1=1608-1010-1-ND, Temperature Coefficient=X7R, Tolerance=±10%, Voltage - Rated=25V, Applications="Boardflex Sensitive", Capacitance="0.1 µF", ComponentLink1Description=Datasheet, ComponentLink1URL=https://www.knowlescapacitors.com/getattachment/2dbfc8bc-e2b3-4b4d-afb1-43b011b9ebe0/High-Std-Voltage.aspx, ComponentLink2Description="DigiKey Link", ComponentLink2URL=https://www.digikey.com/en/products/detail/knowles-syfer/0805Y0250104KXT/5729991, Features="Soft Termination", LastUpdated="2024-02-09 8:16:06 PM", Lifecycle Status=Active, Minimum Order=1, Mounting Type="Surface Mount, MLCC", Package / Case="0805 (2012 Metric)", Packaging=TapeAndReel, Part Number=0805Y0250104KXT, Part Status=Active, PartId=3471, Price=0.15, Series=FlexiCap™, Size / Dimension="0.079\" L x 0.049\" W (2.00mm x 1.25mm)", Supplier 1=DigiKey, Thickness (Max)="0.051\" (1.30mm)"
D1 D2 D3: library part 5975316507F, "LED GREEN 0805 SMD", Current - Test=20mA, Device Package="0805 (2012 Metric)", Lens Color=0.93mm, Manufacturer=Dialight, Millicandela Rating=16mcd, Supplier Device Package=0805, Supplier Part Number 1=350-4389-1-ND, Voltage - Forward (Vf) (Typ)=2.2V, Color=Green, ComponentLink1Description=Datasheet, ComponentLink1URL=http://www.dialightsignalsandcomponents.com/Assets/Drawings/2D_Drawings_DrawingDetailedSpec/NewDrawings/18370A.pdf, ComponentLink2Description="DigiKey Link", ComponentLink2URL=https://www.digikey.com/en/products/detail/dialight/5975316507F/9385444, Configuration=Standard, Height (Max)=0.93mm, LastUpdated="2024-06-03 8:00:30 PM", Lens Size="1.40mm x 1.24mm", Lens Style="Rectangle with Flat Top", Lifecycle Status=Active, Minimum Order=1, Mounting Type="Surface Mount", Package / Case="0805 (2012 Metric)", Packaging=TapeAndReel, Part Number=5975316507F, Part Status=Active, PartId=245, Price=0.12, Series=597, Size / Dimension="2.00mm L x 1.25mm W", Supplier 1=DigiKey, Wavelength - Dominant=560nm
F1 F2 F3 J14 J30 J33 U3: Package=None, Availability=Unavailable, Price=None
  F1 F2 F3: MF=Keystone, MP=3557-10
  J14 J30: MF="{'manufacturer': u'JST Sales America Inc.'}", MP=B4B-PH-K-S
  J33: MP=2165711002
  U3: MP=SN74AHCT245PWR
J1: "Conn Wire to Board HDR 24Power POS 4.2mm Solder ST Top Entry Thru-Hole Tray", Package=None, Availability=Unavailable, MP=39299243, Price=None
J2: "Connector Header Through Hole 40 position 0.100 (2.54mm)", Package=None, Availability="In Stock", Check_prices=https://www.snapeda.com/parts/TSS-120-01-T-D/Samtec/view-part/?ref=eda, MF=Samtec, MP=TSS-120-01-T-D, Price=None, Purchase-URL=https://pricing.snapeda.com/search/part/TSS-120-01-T-D/?ref=eda, SnapEDA_Link=https://www.snapeda.com/parts/TSS-120-01-T-D/Samtec/view-part/?ref=snap
J3 J4 J5 J6 J7 J8 J9: "Micro-Fit+ Vertical Header, Through Hole, 3.00mm Pitch, Single Row, 3 Circuits, Matte Tin (Sn) Plating, Glow-Wire Capable, Black", Manufacturer_Name="Molex Connector Corporation", Copyright="Copyright (C) 2026 Ultra Librarian. All rights reserved.", Manufacturer_Part_Number=2165711003, RefDes=RefDes, Type=Type
J10: "Sabre Vertical Header, 3 Circuits, Glow-Wire Capable, PCB Thickness 1.60mm, without Board Lock", Manufacturer_Name="Molex Connector Corporation", Copyright="Copyright (C) 2026 Ultra Librarian. All rights reserved.", Manufacturer_Part_Number=431600103, RefDes=RefDes, Type=Type
J11 J12 J13 J20: "CONN MOD JACK 8P8C R/A SHIELDED", LED Color="Does Not Contain LED", Manufacturer="Assmann WSW Components", Supplier Part Number 1=AE10387-ND, ComponentLink1Description=Datasheet, ComponentLink1URL=http://www.assmann-wsw.com/fileadmin/datasheets/ASS_7323_CO.pdf, ComponentLink2Description="DigiKey Link", ComponentLink2URL=http://digikey.com/product-detail/en/assmann-wsw-components/A-2004-2-4-LPS-N-R/AE10387-ND/2183638, Connector Type=Jack, Contact Finish=Gold, Contact Material="Phosphor Bronze", Features="Board Lock", LastUpdated="2020-01-15 3:54:20 AM", Lifecycle Status=Active, Minimum Order=1, Mounting Type="Through Hole", Number of Ports=1, Number of Positions/Contacts="8p8c (RJ45, Ethernet)", Number of Rows=1, Orientation="90° Angle (Right)", Packaging=Tray, Part Number=A-2004-2-4-LPS-N-R, Part Status=Active, Price=1.05, Series=-, Shielding=Shielded, Supplier 1=DigiKey, Tab Direction=Down, Termination=Solder
J15: "Microchip MCP23S17-E/SO,16-channel 16bit I/O Exp&er 5MHz,Serial-SPI,28-Pin SOIC", Package="SOIC-28 Microchip", Check_prices=https://www.snapeda.com/parts/MCP23S17-E/SO/Microchip/view-part/?ref=eda, MF=Microchip, MP=MCP23S17-E/SO, SnapEDA_Link=https://www.snapeda.com/parts/MCP23S17-E/SO/Microchip/view-part/?ref=snap
J16 J17 J18 J19 J21 J22 J23 J24 J25 J26 J27 J28 J29 J31: "Connector Header Through Hole 2 position 0.079 (2.00mm)", Package=None, Check_prices=https://www.snapeda.com/parts/B2B-PH-K-S/JST/view-part/?ref=eda, MF="JST Sales America Inc.", MP=B2B-PH-K-S, SnapEDA_Link=https://www.snapeda.com/parts/B2B-PH-K-S/JST/view-part/?ref=snap
J32: "Conn Data USB TypeA Socket 4Cnts RightAngle ThruHole White 1.57mmPCB", Package=None, Check_prices=https://www.snapeda.com/parts/87520-0010BLF/Amphenol/view-part/?ref=eda, MF="AMPHENOL ICC / FCI", MP=87520-0010BLF, SnapEDA_Link=https://www.snapeda.com/parts/87520-0010BLF/Amphenol/view-part/?ref=snap
MTH1 MTH2 MTH3 MTH4: library part CMP-006-000012-1, "MTH - MOUNTING HOLE 5MM PLATED - 5MM", Package=5MM, Assembly Type=NONE, Component Type="Standard (No BOM)", Design Item ID=MTH_M5, Pin Count=1, Source=CEGEP_SHERBROOKE_TGE_LIBRARY.SchLib
R1 R2 R3 R4 R5 R6 R7 R8 R9 R10 R11 R12 R13 R14 R15 R16 R17 R18: library part ESR03EZPJ472, "RES SMD 4.7K OHM 5% 1/4W 0603", Device Package="0603 (1608 Metric)", Manufacturer="Rohm Semiconductor", Operating Temperature="-55°C ~ 155°C", Power (Watts)="0.25W, 1/4W", Ratings=AEC-Q200, Supplier Device Package=0603, Supplier Part Number 1=RHM4.7KDCT-ND, Temperature Coefficient=±200ppm/°C, Tolerance=±5%, ComponentLink1Description=Datasheet, ComponentLink1URL=https://www.rohm.com/datasheet/ESR01MZPF/esr-e, ComponentLink2Description="DigiKey Link", ComponentLink2URL=https://www.digikey.com/en/products/detail/rohm-semiconductor/ESR03EZPJ472/1762733, Composition="Thick Film", Features="Automotive AEC-Q200, Pulse Withstanding", Height - Seated (Max)="0.022\" (0.55mm)", LastUpdated="2024-02-09 8:43:15 PM", Lifecycle Status=Active, Minimum Order=1, Number of Terminations=2, Package / Case="0603 (1608 Metric)", Packaging=TapeAndReel, Part Number=ESR03EZPJ472, Part Status=Active, PartId=10235, Price=0.01, Resistance="4.7 kOhms", Series=ESR, Size / Dimension="0.063\" L x 0.031\" W (1.60mm x 0.80mm)", Supplier 1=DigiKey
R19 R20 R21 R24 R25 R26 R27 R28: library part ERJ-PB6B3300V, "RES SMD 330 OHM 0.1% 1/4W 0805", Device Package="0805 (2012 Metric)", Manufacturer="Panasonic Electronic Components", Operating Temperature="-55°C ~ 155°C", Power (Watts)="0.25W, 1/4W", Ratings=AEC-Q200, Supplier Device Package=0805, Supplier Part Number 1=P20537CT-ND, Temperature Coefficient=±50ppm/°C, Tolerance=±0.1%, ComponentLink1Description=Datasheet, ComponentLink1URL=https://industrial.panasonic.com/cdbs/www-data/pdf/RDM0000/AOA0000C328.pdf, ComponentLink2Description="DigiKey Link", ComponentLink2URL=https://www.digikey.com/en/products/detail/panasonic-electronic-components/ERJ-PB6B3300V/6213320, Composition="Thick Film", Features="Automotive AEC-Q200, Pulse Withstanding", Height - Seated (Max)="0.028\" (0.70mm)", LastUpdated="2024-02-08 9:02:05 PM", Lifecycle Status=Active, Minimum Order=1, Number of Terminations=2, Package / Case="0805 (2012 Metric)", Packaging=TapeAndReel, Part Number=ERJ-PB6B3300V, Part Status=Active, PartId=35583, Price=0.04, Resistance="330 Ohms", Series=ERJ-PB6, Size / Dimension="0.079\" L x 0.049\" W (2.00mm x 1.25mm)", Supplier 1=DigiKey
R22: library part RNCP0805FTD1K00, "RES 1K OHM 1% 1/4W 0805", Device Package="0805 (2012 Metric)", Manufacturer="Stackpole Electronics Inc", Operating Temperature="-55°C ~ 155°C", Power (Watts)="0.25W, 1/4W", Supplier Device Package=0805, Supplier Part Number 1=RNCP0805FTD1K00CT-ND, Temperature Coefficient=±100ppm/°C, Tolerance=±1%, ComponentLink1Description=Datasheet, ComponentLink1URL=https://www.seielect.com/catalog/sei-rncp.pdf, ComponentLink2Description="DigiKey Link", ComponentLink2URL=https://www.digikey.com/en/products/detail/stackpole-electronics-inc/RNCP0805FTD1K00/2240229, Composition="Thin Film", Features=Anti-Sulfur, Height - Seated (Max)="0.025\" (0.65mm)", LastUpdated="2024-02-08 9:02:37 PM", Lifecycle Status=Active, Minimum Order=1, Number of Terminations=2, Package / Case="0805 (2012 Metric)", Packaging=TapeAndReel, Part Number=RNCP0805FTD1K00, Part Status=Active, PartId=28023, Price=0.01, Resistance="1 kOhms", Series=RNCP, Size / Dimension="0.079\" L x 0.049\" W (2.00mm x 1.25mm)", Supplier 1=DigiKey
R23: library part ERJ-PB6B4701V, "RES SMD 4.7K OHM 0.1% 1/4W 0805", Device Package="0805 (2012 Metric)", Manufacturer="Panasonic Electronic Components", Operating Temperature="-55°C ~ 155°C", Power (Watts)="0.25W, 1/4W", Ratings=AEC-Q200, Supplier Device Package=0805, Supplier Part Number 1=P20670CT-ND, Temperature Coefficient=±50ppm/°C, Tolerance=±0.1%, ComponentLink1Description=Datasheet, ComponentLink1URL=https://industrial.panasonic.com/cdbs/www-data/pdf/RDM0000/AOA0000C328.pdf, ComponentLink2Description="DigiKey Link", ComponentLink2URL=https://www.digikey.com/en/products/detail/panasonic-electronic-components/ERJ-PB6B4701V/6213453, Composition="Thick Film", Features="Automotive AEC-Q200, Pulse Withstanding", Height - Seated (Max)="0.028\" (0.70mm)", LastUpdated="2024-02-08 9:02:36 PM", Lifecycle Status=Active, Minimum Order=1, Number of Terminations=2, Package / Case="0805 (2012 Metric)", Packaging=TapeAndReel, Part Number=ERJ-PB6B4701V, Part Status=Active, PartId=28385, Price=0.04, Resistance="4.7 kOhms", Series=ERJ-PB6, Size / Dimension="0.079\" L x 0.049\" W (2.00mm x 1.25mm)", Supplier 1=DigiKey
REV1: library part REV_REVISION_CARTRIDGE_MINI, "REV - REVISION CARTRIDGE MINI", Assembly Type=NONE, Rule="Component Clearance Constraint [Horizontal Clearance = 0mil    Vertical Clearance = 0mil]"
S1: "Switch Slide ON ON SPDT Raised Slide 0.3A 50VDC 10000Cycles PC Pins Thru-Hole", Package=Package, Check_prices=https://www.snapeda.com/parts/SLW-1711575-5A-N-D/Same+Sky/view-part/?ref=eda, MF="Same Sky", MP=SLW-1711575-5A-N-D, SnapEDA_Link=https://www.snapeda.com/parts/SLW-1711575-5A-N-D/Same+Sky/view-part/?ref=snap
SER1: library part SER_SERIAL_CARTRIDGE_MICRO, "SER - SERIAL CARTRIDGE MICRO", Assembly Type=NONE, Rule="Component Clearance Constraint [Horizontal Clearance = 0mil    Vertical Clearance = 0mil]"
U2 U4 U5: "The ESP32-C3-DEVKITC-02 Evaluation Board from Espressif Systems is a development platform for wireless applications, offering 802.11 b/g/n Wi-Fi and Bluetooth (BLE) connectivity at 2.4GHz. Powered by the ESP32-C3-WROOM-02 module, it features a 32-bit RISC", Package=None, Check_prices=https://www.snapeda.com/parts/ESP32-C3-DevKitC-02/Espressif+Systems/view-part/?ref=eda, MF="Espressif Systems", MP=ESP32-C3-DevKitC-02, SnapEDA_Link=https://www.snapeda.com/parts/ESP32-C3-DevKitC-02/Espressif+Systems/view-part/?ref=snap

## Via types
v1: diameter 0.45, hole 0.2, Top to Bottom, tented both sides, 374 vias
v2: diameter 0.85, hole 0.35, Top to Bottom, tented both sides, 46 vias

## Nets (pads, with @x,y where several pads share a name; then routed paths per layer and width w, separated by ;. In a path a pad name is that pad's centre, name@x,y a point inside that pad or via, vN(x,y) a via of type N, cw(c..) or ccw(c..) an arc to the next point about the centre after c; other vN are vias at no path point)
3V3: F1.1_1 F1.1_2 J1.1 J1.2 J1.12 J1.13 | length 0.1
  Bottom w0.3: J1.2@152.654,99.06 J1.2@152.654,99.146
3V3_FUSE: C6.1 F1.2_1 F1.2_2 J11.8 J12.2 J12.5 J12.6 J15.9 J28.1 R3.2 R4.2 R5.2 R6.2 R7.2 R8.2 R9.2 R10.2 R11.2 R12.2 R13.2 R14.2 R15.2 R16.2 R17.2 R18.2 R28.2 | length 81.9
  Top w0.152: R7.2@16.5,55 R7.2@16.51,55.01 ; R3.2@16.5,70 R3.2@16.51,70.01 ; R8.2@26.5,55 R8.2@26.67,55.17 ; R9.2@36.5,55 R9.2@36.576,55.076 ; R5.2@36.5,70 R5.2@36.576,70.076 ; R10.2@46.482,55.018 R10.2@46.5,55 ; R6.2@46.482,70.018 R6.2@46.5,70 ; v2@56.5,56.057 56.642,56.199 v2(56.642,56.388) ; R17.2@56.896,71.896 R17.2@57,72 ; R16.2@60.96,71.96 R16.2@61,72 ; R15.2@65,72 R15.2@65.024,71.976 ; R14.2@69,72 R14.2@69.088,71.912 ; C6.1@71.806,47.752 C6.1@71.882,47.676 ; R12.2@76.962,72.038 R12.2@77,72
  Top w0.4: R7.2@16.51,55.01 v2(16.51,56.388) ; R3.2@16.51,70.01 v2(16.51,71.374) ; v2(26.416,71.374) 26.458,71.332 26.458,70.042 R4.2@26.5,70 ; R8.2@26.67,55.17 v2(26.67,56.388) ; R9.2@36.576,55.076 v2(36.576,56.388) ; R5.2@36.576,70.076 v2(36.576,71.374) ; R10.2@46.482,55.018 v2(46.482,56.388) ; R6.2@46.482,70.018 v2(46.482,71.374) ; R18.2@53,72 53.043,71.957 53.043,70.655 v2(53.086,70.612) ; R11.2@56.5,55 v2@56.5,56.057 ; v2(56.896,70.612) R17.2@56.896,71.896 ; v2(60.96,70.612) R16.2@60.96,71.96 ; v2(65.024,70.612) R15.2@65.024,71.976 ; v2(69.088,70.358) R14.2@69.088,71.912 ; v2(71.374,67.818) 73,69.444 R13.2@73,72 ; C6.1@71.806,47.752 71.905,47.775 J15.9@71.905,50.395 ; v2(71.882,46.228) C6.1@71.882,47.676 ; R12.2@76.962,72.038 v2(76.962,75.184) ; F1.2_2@163.83,87.884 163.83,75.184 166.116,72.898 181.102,72.898 186.182,67.818 186.182,58.928 185.379,58.125 R28.2@184,58.125
3V3_PI4: J2.01 J2.17 R1.2 R2.2 | length 46
  Top w0.38: R2.2@187,16.75 187.05,16.75 189.576,14.224 193.724,14.224 J2.01@195.5,16 198.628,19.128 198.628,24.892 ; R1.2@187,21.95 187.05,21.95 189.992,24.892 196.342,24.892 198.628,24.892 ; J2.17@195.58,36.322 195.58,36.068 198.628,33.02 198.628,24.892
5V: F3.1_1 F3.1_2 J1.4 J1.6 J1.21 J1.22 J1.23